# Allegro board RK3568_Template_DDR4P216SD6_48x32_1600MHZ_V10_20210129GXL.brd (continued)
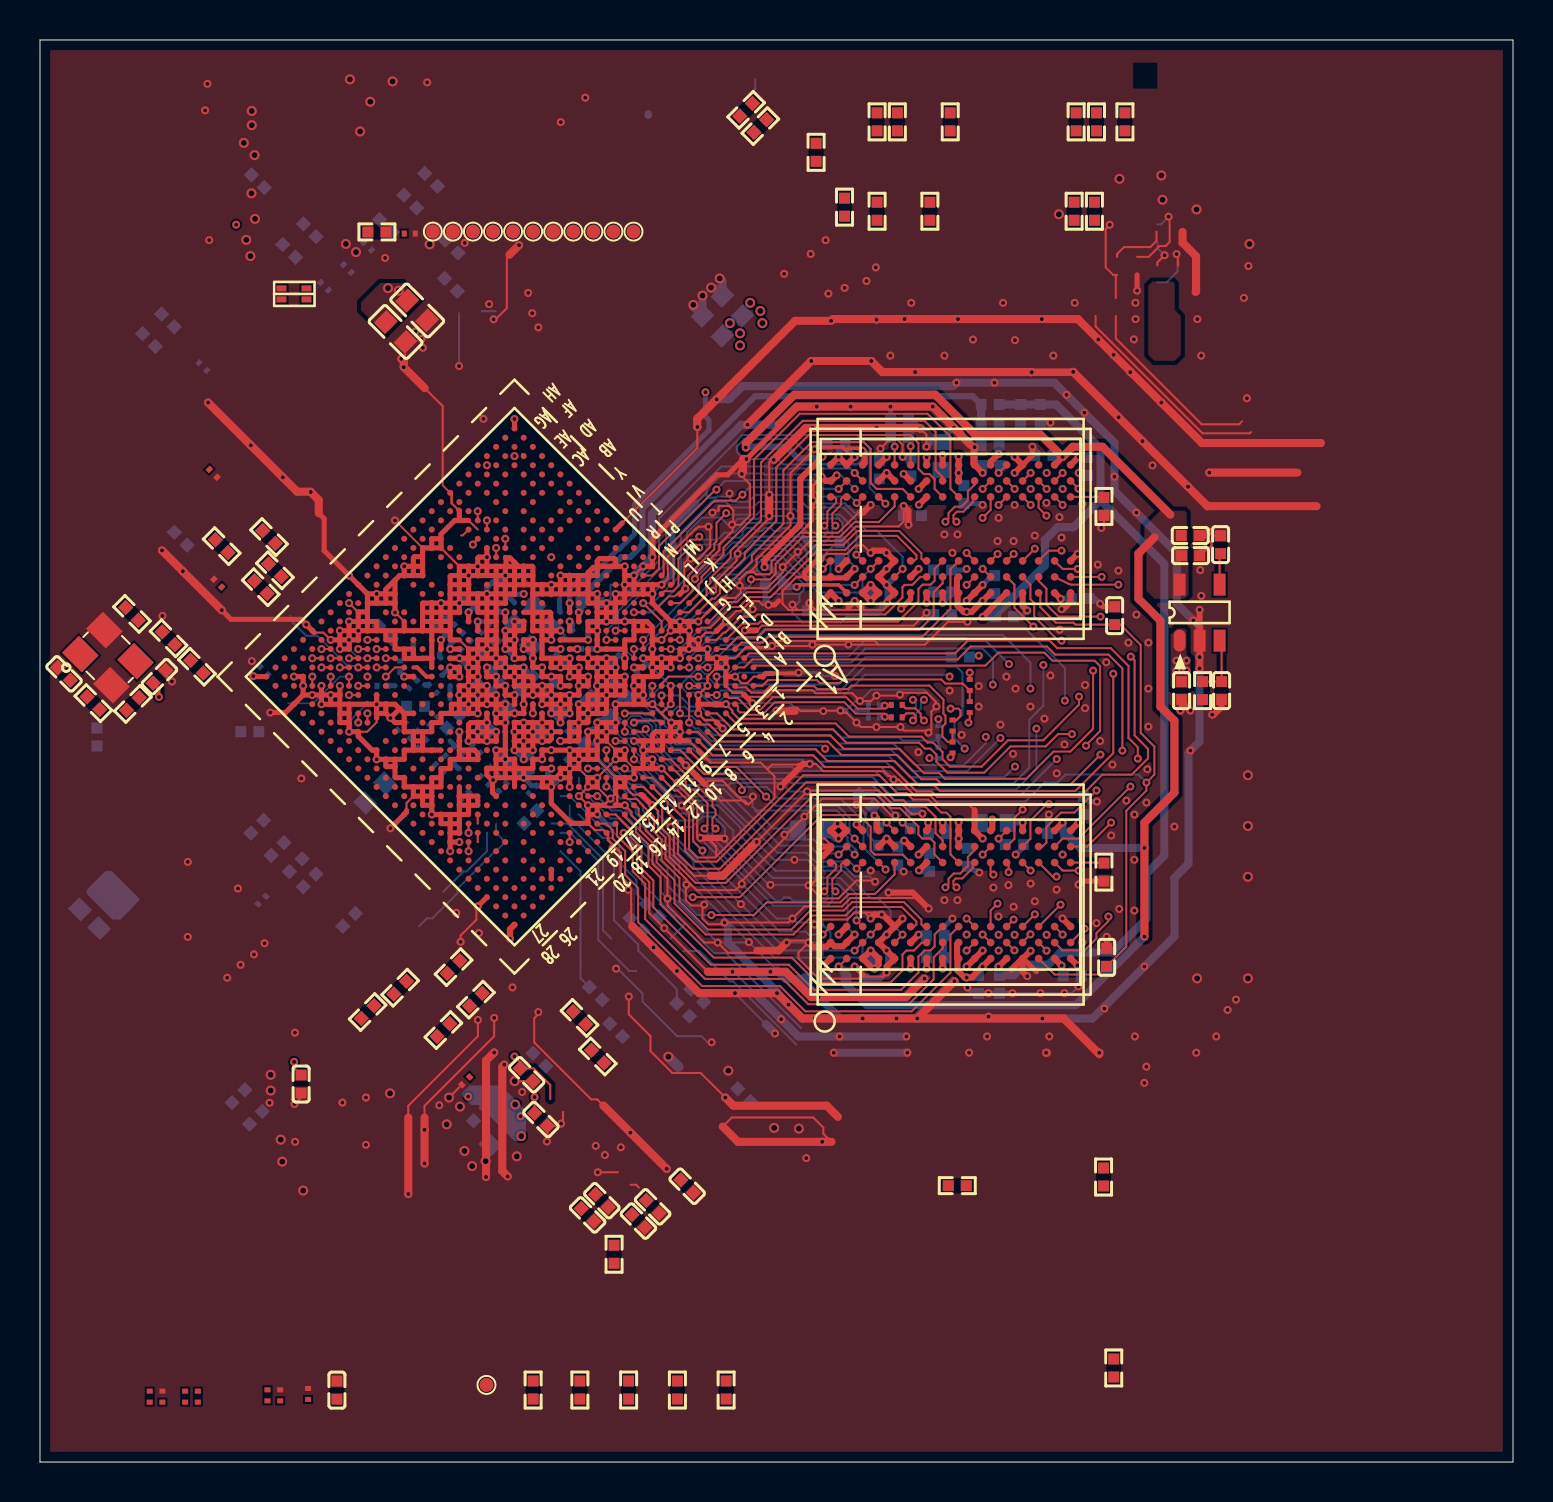
[diagram p0: board, top side]
## Footprints (pads in the part's own frame, mm; a bottom-side part is the same pattern mirrored in y, then rotated)
BGA636_19R00X19R00X1R20
  round 0.3 smd: A1(-8.775,8.775) A2(-8.125,8.775) A3(-7.475,8.775) A4(-6.825,8.775) A5(-6.175,8.775) A6(-5.525,8.775) A7(-4.875,8.775) A8(-4.225,8.775) A9(-3.575,8.775) A10(-2.925,8.775) A11(-2.275,8.775) A12(-1.625,8.775) A13(-0.975,8.775) A14(-0.325,8.775) A15(0.325,8.775) A16(0.975,8.775) A17(1.625,8.775) A18(2.275,8.775) A19(2.925,8.775) A20(3.575,8.775) A21(4.225,8.775) A22(4.875,8.775) A23(5.525,8.775) A24(6.175,8.775) A25(6.825,8.775) A26(7.475,8.775) A27(8.125,8.775) A28(8.775,8.775) AA1(-8.775,-4.225) AA2(-8.125,-4.225) AA3(-7.475,-4.225) AA4(-6.825,-4.225) AA5(-6.175,-4.225) AA6(-5.525,-4.225) AA7(-4.875,-4.225) AA9(-3.575,-4.225) AA11(-2.275,-4.225) AA12(-1.625,-4.225) AA14(-0.325,-4.225) AA15(0.325,-4.225) AA17(1.625,-4.225) AA18(2.275,-4.225) AA20(3.575,-4.225) AA22(4.875,-4.225) AA23(5.525,-4.225) AA24(6.175,-4.225) AA25(6.825,-4.225) AA26(7.475,-4.225) AA27(8.125,-4.225) AA28(8.775,-4.225) AB1(-8.775,-4.875) AB2(-8.125,-4.875) AB5(-6.175,-4.875) AB6(-5.525,-4.875) AB8(-4.225,-4.875) AB9(-3.575,-4.875) AB11(-2.275,-4.875) AB12(-1.625,-4.875) AB14(-0.325,-4.875) AB15(0.325,-4.875) AB17(1.625,-4.875) AB18(2.275,-4.875) AB20(3.575,-4.875) AB21(4.225,-4.875) AB23(5.525,-4.875) AB24(6.175,-4.875) AB27(8.125,-4.875) AB28(8.775,-4.875) AC1(-8.775,-5.525) AC2(-8.125,-5.525) AC3(-7.475,-5.525) AC4(-6.825,-5.525) AC5(-6.175,-5.525) AC7(-4.875,-5.525) AC8(-4.225,-5.525) AC9(-3.575,-5.525) AC11(-2.275,-5.525) AC12(-1.625,-5.525) AC14(-0.325,-5.525) AC15(0.325,-5.525) AC17(1.625,-5.525) AC18(2.275,-5.525) AC20(3.575,-5.525) AC21(4.225,-5.525) AC22(4.875,-5.525) AC24(6.175,-5.525) AC25(6.825,-5.525) AC26(7.475,-5.525) AC27(8.125,-5.525) AC28(8.775,-5.525) AD1(-8.775,-6.175) AD2(-8.125,-6.175) AD3(-7.475,-6.175) AD4(-6.825,-6.175) AD6(-5.525,-6.175) AD7(-4.875,-6.175) AD8(-4.225,-6.175) AD9(-3.575,-6.175) AD11(-2.275,-6.175) AD12(-1.625,-6.175) AD14(-0.325,-6.175) AD15(0.325,-6.175) AD17(1.625,-6.175) AD18(2.275,-6.175) AD20(3.575,-6.175) AD21(4.225,-6.175) AD22(4.875,-6.175) AD23(5.525,-6.175) AD25(6.825,-6.175) AD26(7.475,-6.175) AD27(8.125,-6.175) AD28(8.775,-6.175) AE1(-8.775,-6.825) AE2(-8.125,-6.825) AE3(-7.475,-6.825) AE5(-6.175,-6.825) AE6(-5.525,-6.825) AE8(-4.225,-6.825) AE9(-3.575,-6.825) AE11(-2.275,-6.825) AE12(-1.625,-6.825) AE14(-0.325,-6.825) AE15(0.325,-6.825) AE17(1.625,-6.825) AE18(2.275,-6.825) AE20(3.575,-6.825) AE21(4.225,-6.825) AE23(5.525,-6.825) AE24(6.175,-6.825) AE26(7.475,-6.825) AE27(8.125,-6.825) AE28(8.775,-6.825) AF1(-8.775,-7.475) AF2(-8.125,-7.475) AF3(-7.475,-7.475) AF4(-6.825,-7.475) AF5(-6.175,-7.475) AF6(-5.525,-7.475) AF8(-4.225,-7.475) AF9(-3.575,-7.475) AF11(-2.275,-7.475) AF12(-1.625,-7.475) AF14(-0.325,-7.475) AF15(0.325,-7.475) AF17(1.625,-7.475) AF18(2.275,-7.475) AF20(3.575,-7.475) AF21(4.225,-7.475) AF23(5.525,-7.475) AF24(6.175,-7.475) AF25(6.825,-7.475) AF26(7.475,-7.475) AF27(8.125,-7.475) AF28(8.775,-7.475) AG1(-8.775,-8.125) AG2(-8.125,-8.125) AG3(-7.475,-8.125) AG4(-6.825,-8.125) AG5(-6.175,-8.125) AG6(-5.525,-8.125) AG7(-4.875,-8.125) AG8(-4.225,-8.125) AG9(-3.575,-8.125) AG10(-2.925,-8.125) AG11(-2.275,-8.125) AG12(-1.625,-8.125) AG13(-0.975,-8.125) AG14(-0.325,-8.125) AG15(0.325,-8.125) AG16(0.975,-8.125) AG17(1.625,-8.125) AG18(2.275,-8.125) AG19(2.925,-8.125) AG20(3.575,-8.125) AG21(4.225,-8.125) AG22(4.875,-8.125) AG23(5.525,-8.125) AG24(6.175,-8.125) AG25(6.825,-8.125) AG26(7.475,-8.125) AG27(8.125,-8.125) AG28(8.775,-8.125) AH1(-8.775,-8.775) AH2(-8.125,-8.775) AH3(-7.475,-8.775) AH4(-6.825,-8.775) AH5(-6.175,-8.775) AH6(-5.525,-8.775) AH7(-4.875,-8.775) AH8(-4.225,-8.775) AH9(-3.575,-8.775) AH10(-2.925,-8.775) AH11(-2.275,-8.775) AH12(-1.625,-8.775) AH13(-0.975,-8.775) AH14(-0.325,-8.775) AH15(0.325,-8.775) AH16(0.975,-8.775) AH17(1.625,-8.775) AH18(2.275,-8.775) AH19(2.925,-8.775) AH20(3.575,-8.775) AH21(4.225,-8.775) AH22(4.875,-8.775) AH23(5.525,-8.775) AH24(6.175,-8.775) AH25(6.825,-8.775) AH26(7.475,-8.775) AH27(8.125,-8.775) AH28(8.775,-8.775) B1(-8.775,8.125) B2(-8.125,8.125) B3(-7.475,8.125) B4(-6.825,8.125) B5(-6.175,8.125) B6(-5.525,8.125) B7(-4.875,8.125) B8(-4.225,8.125) B9(-3.575,8.125) B10(-2.925,8.125) B11(-2.275,8.125) B12(-1.625,8.125) B13(-0.975,8.125) B14(-0.325,8.125) B15(0.325,8.125) B16(0.975,8.125) B17(1.625,8.125) B18(2.275,8.125) B19(2.925,8.125) B20(3.575,8.125) B21(4.225,8.125) B22(4.875,8.125) B23(5.525,8.125) B24(6.175,8.125) B25(6.825,8.125) B26(7.475,8.125) B27(8.125,8.125) B28(8.775,8.125) C1(-8.775,7.475) C2(-8.125,7.475) C3(-7.475,7.475) C4(-6.825,7.475) C5(-6.175,7.475) C6(-5.525,7.475) C8(-4.225,7.475) C9(-3.575,7.475) C11(-2.275,7.475) C12(-1.625,7.475) C14(-0.325,7.475) C15(0.325,7.475) C17(1.625,7.475) C18(2.275,7.475) C20(3.575,7.475) C21(4.225,7.475) C23(5.525,7.475) C24(6.175,7.475) C25(6.825,7.475) C26(7.475,7.475) C27(8.125,7.475) C28(8.775,7.475) D1(-8.775,6.825) D2(-8.125,6.825) D3(-7.475,6.825) D5(-6.175,6.825) D6(-5.525,6.825) D8(-4.225,6.825) D9(-3.575,6.825) D11(-2.275,6.825) D12(-1.625,6.825) D14(-0.325,6.825) D15(0.325,6.825) D17(1.625,6.825) D18(2.275,6.825) D20(3.575,6.825) D21(4.225,6.825) D23(5.525,6.825) D24(6.175,6.825) D26(7.475,6.825) D27(8.125,6.825) D28(8.775,6.825) E1(-8.775,6.175) E2(-8.125,6.175) E3(-7.475,6.175) E4(-6.825,6.175) E6(-5.525,6.175) E7(-4.875,6.175) E8(-4.225,6.175) E9(-3.575,6.175) E11(-2.275,6.175) E12(-1.625,6.175) E14(-0.325,6.175) E15(0.325,6.175) E17(1.625,6.175) E18(2.275,6.175) E20(3.575,6.175) E21(4.225,6.175) E22(4.875,6.175) E23(5.525,6.175) E25(6.825,6.175) E26(7.475,6.175) E27(8.125,6.175) E28(8.775,6.175) F1(-8.775,5.525) F2(-8.125,5.525) F3(-7.475,5.525) F4(-6.825,5.525) F5(-6.175,5.525) F7(-4.875,5.525) F8(-4.225,5.525) F9(-3.575,5.525) F11(-2.275,5.525) F12(-1.625,5.525) F14(-0.325,5.525) F15(0.325,5.525) F17(1.625,5.525) F18(2.275,5.525) F20(3.575,5.525) F21(4.225,5.525) F22(4.875,5.525) F24(6.175,5.525) F25(6.825,5.525) F26(7.475,5.525) F27(8.125,5.525) F28(8.775,5.525) G1(-8.775,4.875) G2(-8.125,4.875) G5(-6.175,4.875) G6(-5.525,4.875) G8(-4.225,4.875) G9(-3.575,4.875) G11(-2.275,4.875) G12(-1.625,4.875) G14(-0.325,4.875) G15(0.325,4.875) G17(1.625,4.875) G18(2.275,4.875) G20(3.575,4.875) G21(4.225,4.875) G23(5.525,4.875) G24(6.175,4.875) G27(8.125,4.875) G28(8.775,4.875) H1(-8.775,4.225) H2(-8.125,4.225) H3(-7.475,4.225) H4(-6.825,4.225) H5(-6.175,4.225) H6(-5.525,4.225) H7(-4.875,4.225) H9(-3.575,4.225) H11(-2.275,4.225) H12(-1.625,4.225) H14(-0.325,4.225) H15(0.325,4.225) H17(1.625,4.225) H18(2.275,4.225) H20(3.575,4.225) H22(4.875,4.225) H23(5.525,4.225) H24(6.175,4.225) H25(6.825,4.225) H26(7.475,4.225) H27(8.125,4.225) H28(8.775,4.225) J1(-8.775,3.575) J2(-8.125,3.575) J3(-7.475,3.575) J4(-6.825,3.575) J5(-6.175,3.575) J6(-5.525,3.575) J7(-4.875,3.575) J8(-4.225,3.575) J9(-3.575,3.575) J11(-2.275,3.575) J12(-1.625,3.575) J14(-0.325,3.575) J15(0.325,3.575) J17(1.625,3.575) J18(2.275,3.575) J20(3.575,3.575) J21(4.225,3.575) J22(4.875,3.575) J23(5.525,3.575) J24(6.175,3.575) J25(6.825,3.575) J26(7.475,3.575) J27(8.125,3.575) J28(8.775,3.575) K1(-8.775,2.925) K2(-8.125,2.925) K10(-2.925,2.925) K11(-2.275,2.925) K12(-1.625,2.925) K13(-0.975,2.925) K14(-0.325,2.925) K15(0.325,2.925) K16(0.975,2.925) K17(1.625,2.925) K18(2.275,2.925) K19(2.925,2.925) K27(8.125,2.925) K28(8.775,2.925) L1(-8.775,2.275) L2(-8.125,2.275) L3(-7.475,2.275) L4(-6.825,2.275) L5(-6.175,2.275) L6(-5.525,2.275) L7(-4.875,2.275) L8(-4.225,2.275) L9(-3.575,2.275) L10(-2.925,2.275) L11(-2.275,2.275) L12(-1.625,2.275) L13(-0.975,2.275) L14(-0.325,2.275) L15(0.325,2.275) L16(0.975,2.275) L17(1.625,2.275) L18(2.275,2.275) L19(2.925,2.275) L20(3.575,2.275) L21(4.225,2.275) L22(4.875,2.275) L23(5.525,2.275) L24(6.175,2.275) L25(6.825,2.275) L26(7.475,2.275) L27(8.125,2.275) L28(8.775,2.275) M1(-8.775,1.625) M2(-8.125,1.625) M3(-7.475,1.625) M4(-6.825,1.625) M5(-6.175,1.625) M6(-5.525,1.625) M7(-4.875,1.625) M8(-4.225,1.625) M9(-3.575,1.625) M10(-2.925,1.625) M11(-2.275,1.625) M12(-1.625,1.625) M13(-0.975,1.625) M14(-0.325,1.625) M15(0.325,1.625) M16(0.975,1.625) M17(1.625,1.625) M18(2.275,1.625) M19(2.925,1.625) M20(3.575,1.625) M21(4.225,1.625) M22(4.875,1.625) M23(5.525,1.625) M24(6.175,1.625) M25(6.825,1.625) M26(7.475,1.625) M27(8.125,1.625) M28(8.775,1.625) N1(-8.775,0.975) N2(-8.125,0.975) N10(-2.925,0.975) N11(-2.275,0.975) N12(-1.625,0.975) N13(-0.975,0.975) N14(-0.325,0.975) N15(0.325,0.975) N16(0.975,0.975) N17(1.625,0.975) N18(2.275,0.975) N19(2.925,0.975) N27(8.125,0.975) N28(8.775,0.975) P1(-8.775,0.325) P2(-8.125,0.325) P3(-7.475,0.325) P4(-6.825,0.325) P5(-6.175,0.325) P6(-5.525,0.325) P7(-4.875,0.325) P8(-4.225,0.325) P9(-3.575,0.325) P10(-2.925,0.325) P11(-2.275,0.325) P12(-1.625,0.325) P13(-0.975,0.325) P14(-0.325,0.325) P15(0.325,0.325) P16(0.975,0.325) P17(1.625,0.325) P18(2.275,0.325) P19(2.925,0.325) P20(3.575,0.325) P21(4.225,0.325) P22(4.875,0.325) P23(5.525,0.325) P24(6.175,0.325) P25(6.825,0.325) P26(7.475,0.325) P27(8.125,0.325) P28(8.775,0.325) R1(-8.775,-0.325) R2(-8.125,-0.325) R3(-7.475,-0.325) R4(-6.825,-0.325) R5(-6.175,-0.325) R6(-5.525,-0.325) R7(-4.875,-0.325) R8(-4.225,-0.325) R9(-3.575,-0.325) R10(-2.925,-0.325) R11(-2.275,-0.325) R12(-1.625,-0.325) R13(-0.975,-0.325) R14(-0.325,-0.325) R15(0.325,-0.325) R16(0.975,-0.325) R17(1.625,-0.325) R18(2.275,-0.325) R19(2.925,-0.325) R20(3.575,-0.325) R21(4.225,-0.325) R22(4.875,-0.325) R23(5.525,-0.325) R24(6.175,-0.325) R25(6.825,-0.325) R26(7.475,-0.325) R27(8.125,-0.325) R28(8.775,-0.325) T1(-8.775,-0.975) T2(-8.125,-0.975) T10(-2.925,-0.975) T11(-2.275,-0.975) T12(-1.625,-0.975) T13(-0.975,-0.975) T14(-0.325,-0.975) T15(0.325,-0.975) T16(0.975,-0.975) T17(1.625,-0.975) T18(2.275,-0.975) T19(2.925,-0.975) T27(8.125,-0.975) T28(8.775,-0.975) U1(-8.775,-1.625) U2(-8.125,-1.625) U3(-7.475,-1.625) U4(-6.825,-1.625) U5(-6.175,-1.625) U6(-5.525,-1.625) U7(-4.875,-1.625) U8(-4.225,-1.625) U9(-3.575,-1.625) U10(-2.925,-1.625) U11(-2.275,-1.625) U12(-1.625,-1.625) U13(-0.975,-1.625) U14(-0.325,-1.625) U15(0.325,-1.625) U16(0.975,-1.625) U17(1.625,-1.625) U18(2.275,-1.625) U19(2.925,-1.625) U20(3.575,-1.625) U21(4.225,-1.625) U22(4.875,-1.625) U23(5.525,-1.625) U24(6.175,-1.625) U25(6.825,-1.625) U26(7.475,-1.625) U27(8.125,-1.625) U28(8.775,-1.625) V1(-8.775,-2.275) V2(-8.125,-2.275) V3(-7.475,-2.275) V4(-6.825,-2.275) V5(-6.175,-2.275) V6(-5.525,-2.275) V7(-4.875,-2.275) V8(-4.225,-2.275) V9(-3.575,-2.275) V10(-2.925,-2.275) V11(-2.275,-2.275) V12(-1.625,-2.275) V13(-0.975,-2.275) V14(-0.325,-2.275) V15(0.325,-2.275) V16(0.975,-2.275) V17(1.625,-2.275) V18(2.275,-2.275) V19(2.925,-2.275) V20(3.575,-2.275) V21(4.225,-2.275) V22(4.875,-2.275) V23(5.525,-2.275) V24(6.175,-2.275) V25(6.825,-2.275) V26(7.475,-2.275) V27(8.125,-2.275) V28(8.775,-2.275) W1(-8.775,-2.925) W2(-8.125,-2.925) W10(-2.925,-2.925) W11(-2.275,-2.925) W12(-1.625,-2.925) W13(-0.975,-2.925) W14(-0.325,-2.925) W15(0.325,-2.925) W16(0.975,-2.925) W17(1.625,-2.925) W18(2.275,-2.925) W19(2.925,-2.925) W27(8.125,-2.925) W28(8.775,-2.925) Y1(-8.775,-3.575) Y2(-8.125,-3.575) Y3(-7.475,-3.575) Y4(-6.825,-3.575) Y5(-6.175,-3.575) Y6(-5.525,-3.575) Y7(-4.875,-3.575) Y8(-4.225,-3.575) Y9(-3.575,-3.575) Y11(-2.275,-3.575) Y12(-1.625,-3.575) Y14(-0.325,-3.575) Y15(0.325,-3.575) Y17(1.625,-3.575) Y18(2.275,-3.575) Y20(3.575,-3.575) Y21(4.225,-3.575) Y22(4.875,-3.575) Y23(5.525,-3.575) Y24(6.175,-3.575) Y25(6.825,-3.575) Y26(7.475,-3.575) Y27(8.125,-3.575) Y28(8.775,-3.575)
C0201
  rect 0.25x0.3 smd: 1(-0.275,0) 2(0.275,0)
C0402
  rect 0.55x0.55 smd: 1(-0.45,0) 2(0.45,0)
C0603
  rect 0.8x0.9 smd: 1(-0.7,0) 2(0.7,0)
CRY4_3R20X2R50X0R80
  rect 1.4x1.2 smd: 1(-1.1,-0.85) 2(1.1,-0.85) 3(1.1,0.85) 4(-1.1,0.85)
FBGA96_14R00X11R00X1R20
  round 0.38 smd: A1(-3.2,6) A2(-2.4,6) A3(-1.6,6) A7(1.6,6) A8(2.4,6) A9(3.2,6) B1(-3.2,5.2) B2(-2.4,5.2) B3(-1.6,5.2) B7(1.6,5.2) B8(2.4,5.2) B9(3.2,5.2) C1(-3.2,4.4) C2(-2.4,4.4) C3(-1.6,4.4) C7(1.6,4.4) C8(2.4,4.4) C9(3.2,4.4) D1(-3.2,3.6) D2(-2.4,3.6) D3(-1.6,3.6) D7(1.6,3.6) D8(2.4,3.6) D9(3.2,3.6) E1(-3.2,2.8) E2(-2.4,2.8) E3(-1.6,2.8) E7(1.6,2.8) E8(2.4,2.8) E9(3.2,2.8) F1(-3.2,2) F2(-2.4,2) F3(-1.6,2) F7(1.6,2) F8(2.4,2) F9(3.2,2) G1(-3.2,1.2) G2(-2.4,1.2) G3(-1.6,1.2) G7(1.6,1.2) G8(2.4,1.2) G9(3.2,1.2) H1(-3.2,0.4) H2(-2.4,0.4) H3(-1.6,0.4) H7(1.6,0.4) H8(2.4,0.4) H9(3.2,0.4) J1(-3.2,-0.4) J2(-2.4,-0.4) J3(-1.6,-0.4) J7(1.6,-0.4) J8(2.4,-0.4) J9(3.2,-0.4) K1(-3.2,-1.2) K2(-2.4,-1.2) K3(-1.6,-1.2) K7(1.6,-1.2) K8(2.4,-1.2) K9(3.2,-1.2) L1(-3.2,-2) L2(-2.4,-2) L3(-1.6,-2) L7(1.6,-2) L8(2.4,-2) L9(3.2,-2) M1(-3.2,-2.8) M2(-2.4,-2.8) M3(-1.6,-2.8) M7(1.6,-2.8) M8(2.4,-2.8) M9(3.2,-2.8) N1(-3.2,-3.6) N2(-2.4,-3.6) N3(-1.6,-3.6) N7(1.6,-3.6) N8(2.4,-3.6) N9(3.2,-3.6) P1(-3.2,-4.4) P2(-2.4,-4.4) P3(-1.6,-4.4) P7(1.6,-4.4) P8(2.4,-4.4) P9(3.2,-4.4) R1(-3.2,-5.2) R2(-2.4,-5.2) R3(-1.6,-5.2) R7(1.6,-5.2) R8(2.4,-5.2) R9(3.2,-5.2) T1(-3.2,-6) T2(-2.4,-6) T3(-1.6,-6) T7(1.6,-6) T8(2.4,-6) T9(3.2,-6)
R0201
  rect 0.25x0.3 smd: 1(-0.275,0) 2(0.275,0)
R0402
  rect 0.55x0.55 smd: 1(-0.45,0) 2(0.45,0)
RP2_0405
  rect 0.5x0.3 smd: 1(-0.625,-0.275) 2(0.625,-0.275) 3(-0.625,0.275) 4(0.625,0.275)
SOT_23_5
  oval 1.1x0.6 smd: 1(0,0)
  rect 1.1x0.6 smd: 2(0,-1) 3(0,-2) 4(2.8,-2) 5(2.8,0)
TP_0R70
  round 0.7 smd: 1(0,0)

## Nets
DDR4_BG1/VSS: R3318.1 R3319.1 R3320.1 U3300.M9 U3301.M9
GND: C1000.2 C1001.2 C1002.2 C1003.2 C1004.2 C1005.2 C1006.2 C1007.2 C1008.2 C1009.2 C1010.2 C1011.2 C1012.2 C1013.2 C1014.2 C1015.2 C1016.2 C1017.2 C1018.2 C1019.2 C1020.2 C1100.2 C1101.2 C1102.2 C1103.2 C1104.2 C1200.2 C1201.2 C1202.2 C1203.2 C1204.2 C1205.2 C1206.2 C1207.2 C1208.2 C1209.2 C1210.2 C1211.2 C1212.2 C1213.2 C1214.2 C1300.2 C1301.2 C1400.2 C1401.2 C1402.2 C1403.2 C1404.2 C1405.2 C1406.2 C1407.2 C1408.2 C1409.2 C1410.2 C1411.2 C1412.2 C1413.2 C1414.2 C1500.2 C1501.2 C1502.2 C1503.2 C1504.2 C1505.2 C1506.2 C1507.2 C1508.2 C1509.2 C1510.2 C1511.2 C1600.2 C1601.2 C1602.2 C1603.2 C1700.2 C1701.2 C1702.2 C1703.2 C1712.2 C1713.2 C1714.2 C1715.2 C1716.2 C1717.2 C1718.2 C1719.2 C1720.2 C1800.2 C1900.2 C3300.2 C3301.2 C3302.2 C3304.2 C3305.2 C3306.2 C3307.2 C3308.2 C3309.2 C3310.2 C3311.2 C3312.2 C3313.2 C3314.2 C3315.2 C3316.2 C3317.2 C3318.2 C3319.2 C3320.2 C3321.2 C3322.2 C3323.2 C3324.2 C3325.2 C3326.2 C3327.2 C3328.2 C3329.2 C3330.2 C3331.2 C3332.2 C3333.2 C3334.2 C3335.2 C3336.2 C3337.2 C3338.2 C3339.2 C3340.2 C3341.2 C3342.2 C3343.2 C3344.2 C3345.2 R1100.2 R1400.2 R1708.2 R3312.2 R3313.2 R3314.2 R3315.2 R3316.2 R3317.2 R3318.2 R3319.2 R3323.2 TP1301.1 TP1303.1 TP1502.1 U1000.A1 U1000.A3 U1000.A6 U1000.A10 U1000.A14 U1000.A18 U1000.A28 U1000.AA4 U1000.AA9 U1000.AA12 U1000.AA14 U1000.AA15 U1000.AA17 U1000.AA23 U1000.AA24 U1000.AA26 U1000.AB2 U1000.AB6 U1000.AB11 U1000.AB12 U1000.AB14 U1000.AB15 U1000.AB17 U1000.AB24 U1000.AC9 U1000.AC11 U1000.AC12 U1000.AC15 U1000.AC18 U1000.AC25 U1000.AC26 U1000.AD3 U1000.AD26 U1000.AE6 U1000.AE14 U1000.AE17 U1000.AE20 U1000.AE21 U1000.AE27 U1000.AE28 U1000.AF3 U1000.AF9 U1000.AF11 U1000.AF12 U1000.AF14 U1000.AF15 U1000.AF17 U1000.AF18 U1000.AF20 U1000.AF21 U1000.AF26 U1000.AG5 U1000.AG18 U1000.AH1 U1000.AH8 U1000.AH18 U1000.AH23 U1000.AH28 U1000.B5 U1000.B9 U1000.B12 U1000.B16 U1000.B23 U1000.B26 U1000.C3 U1000.C6 U1000.C8 U1000.C9 U1000.C11 U1000.C12 U1000.C14 U1000.C15 U1000.C17 U1000.C18 U1000.C25 U1000.D2 U1000.D3 U1000.D11 U1000.D28 U1000.E3 U1000.E7 U1000.F1 U1000.F3 U1000.F9 U1000.F12 U1000.F14 U1000.F15 U1000.F17 U1000.G5 U1000.G6 U1000.G8 U1000.G9 U1000.G11 U1000.G12 U1000.G14 U1000.G15 U1000.G17 U1000.G18 U1000.G24 U1000.H2 U1000.H3 U1000.H6 U1000.J3 U1000.J5 U1000.J8 U1000.J17 U1000.J18 U1000.J20 U1000.J22 U1000.J26 U1000.J27 U1000.K1 U1000.K11 U1000.K12 U1000.K13 U1000.K14 U1000.K19 U1000.L3 U1000.L5 U1000.L8 U1000.L11 U1000.L13 U1000.L14 U1000.L19 U1000.L20 U1000.L21 U1000.L24 U1000.L26 U1000.M2 U1000.M3 U1000.M6 U1000.M8 U1000.M11 U1000.M13 U1000.M14 U1000.M16 U1000.M18 U1000.M21 U1000.M26 U1000.N1 U1000.N11 U1000.N12 U1000.N14 U1000.N15 U1000.N17 U1000.N18 U1000.N28 U1000.P3 U1000.P6 U1000.P12 U1000.P14 U1000.P15 U1000.P17 U1000.P21 U1000.P26 U1000.R3 U1000.R6 U1000.R10 U1000.R11 U1000.R14 U1000.R15 U1000.R17 U1000.R18 U1000.R19 U1000.R23 U1000.R26 U1000.T10 U1000.T11 U1000.T14 U1000.T15 U1000.T17 U1000.T18 U1000.T19 U1000.U1 U1000.U6 U1000.U7 U1000.U8 U1000.U10 U1000.U14 U1000.U15 U1000.U16 U1000.U17 U1000.U18 U1000.U23 U1000.U26 U1000.V3 U1000.V8 U1000.V9 U1000.V13 U1000.V14 U1000.V15 U1000.V16 U1000.V20 U1000.V22 U1000.V23 U1000.V26 U1000.W10 U1000.W11 U1000.W12 U1000.W13 U1000.W17 U1000.Y8 U1000.Y9 U1000.Y11 U1000.Y12 U1000.Y18 U1000.Y23 U1000.Y24 U1000.Y26 U3300.A2 U3300.A8 U3300.B2 U3300.C9 U3300.D2 U3300.D8 U3300.E1 U3300.E3 U3300.E8 U3300.F1 U3300.G8 U3300.H1 U3300.H9 U3300.K1 U3300.K9 U3300.N1 U3300.N9 U3300.T1 U3300.T3 U3301.A2 U3301.A8 U3301.B2 U3301.C9 U3301.D2 U3301.D8 U3301.E1 U3301.E3 U3301.E8 U3301.F1 U3301.G8 U3301.H1 U3301.H9 U3301.K1 U3301.K9 U3301.N1 U3301.N9 U3301.T1 U3301.T3 U3302.2 Y1200.2 Y1200.4
VCC3V3_PMU: C1203.1 C1210.1 R1204.1 R1205.1 R1206.1 R1207.1 R3325.1 U1000.W19 U1000.Y20
VCC3V3_SYS: C3322.1 U3302.1
VCC25_DDR: C3323.1 C3324.1 C3325.1 C3326.1 C3327.1 C3328.1 U3300.B1 U3300.R9 U3301.B1 U3301.R9 U3302.5(OUT)
VCC_1V8: C1511.1 R1509.2 R1610.2 U1000.H20
VCC_3V3: C1401.1 C1404.1 C1509.1 C1800.1 R1511.2 R1611.2 R1800.1 R1801.1 R1804.1 R1805.1 U1000.M23 U1000.P10 U1000.V10 U1000.V11 U1000.V12
VCC_DDR: C1100.1 C1101.1 C1102.1 C1103.1 C1104.1 C3303.1 C3307.1 C3308.1 C3309.1 C3310.1 C3311.1 C3312.1 C3313.1 C3314.1 C3315.1 C3316.1 C3317.1 C3318.1 C3319.1 C3320.1 C3321.1 C3331.1 C3332.1 C3333.1 C3334.1 C3335.1 C3336.1 C3337.1 C3338.1 C3339.1 C3340.1 C3341.1 C3342.1 C3343.1 C3344.1 C3345.1 R3321.1 U1000.H9 U1000.H11 U1000.H12 U1000.H14 U1000.H15 U1000.J9 U1000.J11 U1000.J12 U1000.J14 U1000.K10 U1000.L9 U1000.L10 U1000.M9 U1000.M10 U3300.A1 U3300.A9 U3300.B3 U3300.B9 U3300.C1 U3300.D1 U3300.D9 U3300.F2 U3300.F8 U3300.G1 U3300.G7 U3300.G9 U3300.J1 U3300.J2 U3300.J8 U3300.J9 U3300.L1 U3300.L9 U3300.R1 U3300.T9 U3301.A1 U3301.A9 U3301.B3 U3301.B9 U3301.C1 U3301.D1 U3301.D9 U3301.F2 U3301.F8 U3301.G1 U3301.G7 U3301.G9 U3301.J1 U3301.J2 U3301.J8 U3301.J9 U3301.L1 U3301.L9 U3301.R1 U3301.T9
VCCA1V8_IMAGE: C1713.1 C1715.1 C1717.1 C1720.1 U1000.M22 U1000.W18
VCCA1V8_PMU: C1206.1 C1207.1 U1000.Y21
VCCA_1V8: C1211.1 C1212.1 C1407.1 C1410.1 C1411.1 C1414.1 C1510.1 R1512.1 U1000.H22 U1000.N10 U1000.R22 U1000.U22
VCCIO4: C1500.1 R1509.1 R1510.1 R1511.1 U1000.J21
VCCIO6: C1602.1 C1603.1 R1606.1 R1607.1 R1610.1 R1611.1 U1000.R9 U1000.U9
VCCIO_ACODEC: C1900.1 R1900.1 R1901.1 U1000.H17
VCCIO_FLASH: C1300.1 U1000.H18
VCCIO_SD: C1301.1 U1000.L22
VCCIO_WL: R1510.2
VDD_CPU: C1000.1 C1001.1 C1002.1 C1003.1 C1004.1 U1000.J15 U1000.K15 U1000.K16 U1000.K17 U1000.K18 U1000.L15 U1000.L16 U1000.L17 U1000.L18 U1000.M17
VDD_CPU_COM: U1000.M15
VDD_GPU: C1012.1 C1013.1 C1014.1 C1015.1 C1016.1 U1000.R13 U1000.T13 U1000.U11 U1000.U12 U1000.U13
VDD_LOGIC: C1005.1 C1006.1 C1007.1 C1008.1 C1009.1 C1010.1 C1011.1 U1000.L12 U1000.M12 U1000.N13 U1000.N16 U1000.P13 U1000.P16 U1000.R12 U1000.R16 U1000.T12 U1000.T16
VDD_NPU: C1017.1 C1018.1 C1019.1 C1020.1 U1000.M19 U1000.N19 U1000.P18 U1000.P19 U1000.P20
VDDA0V9_IMAGE: C1714.1 C1716.1 C1718.1 C1719.1 U1000.M20 U1000.V17 U1000.V18
VDDA0V9_PMU: C1204.1 C1205.1 C1213.1 C1214.1 U1000.V19 U1000.V21
VDDA_0V9: C1208.1 C1209.1 C1408.1 C1409.1 C1412.1 C1413.1 U1000.P11 U1000.R20 U1000.R21 U1000.U20 U1000.U21
4G_DISABLE_GPIO4_C2: U1000.AF8
4G_PWREN_H_GPIO0_C6: U1000.AD20
BT_REG_ON_H_GPIO2_B7: U1000.H25
BT_WAKE_HOST_H_GPIO2_C0: U1000.F24
CAN0_RX_M1: R1304.1 U1000.H28
CAN0_TX_M1: U1000.H27
CIF_CLKOUT: R1609.2
CIF_CLKOUT_SOC: R1609.1 U1000.U3
CLK32K_OUT1_WIFI: R1508.2
DDR4_A0: U1000.B6 U3300.P3 U3301.P3
DDR4_A1: U1000.F5 U3300.P7 U3301.P7
DDR4_A2: U1000.B1 U3300.R3 U3301.R3
DDR4_A3: U1000.F4 U3300.N7 U3301.N7
DDR4_A4: U1000.D9 U3300.N3 U3301.N3
DDR4_A5: U1000.B7 U3300.P8 U3301.P8
DDR4_A6: U1000.A7 U3300.P2 U3301.P2
DDR4_A7: U1000.A8 U3300.R8 U3301.R8
DDR4_A8: U1000.C1 U3300.R2 U3301.R2
DDR4_A9: U1000.A5 U3300.R7 U3301.R7
DDR4_A10: U1000.D6 U3300.M3 U3301.M3
DDR4_A11: U1000.C2 U3300.T2 U3301.T2
DDR4_A12: U1000.C4 U3300.M7 U3301.M7
DDR4_A13: U1000.B8 U3300.T8 U3301.T8
DDR4_A14_WEN: U1000.C5 U3300.L2 U3301.L2
DDR4_A15_CASN: U1000.E4 U3300.M8 U3301.M8
DDR4_A16_RASN: U1000.D5 U3300.L8 U3301.L8
DDR4_ACTN: U1000.E6 U3300.L3 U3301.L3
DDR4_BA0: U1000.E11 U3300.N2 U3301.N2
DDR4_BA1: U1000.E9 U3300.N8 U3301.N8
DDR4_BG0: U1000.F8 U3300.M2 U3301.M2
DDR4_BG1: R3320.2 U1000.F7
DDR4_CKE: R3306.2 R3307.1 U1000.B3
DDR4_CKE_A: R3306.1 U3300.K2
DDR4_CKE_B: R3307.2 U3301.K2
DDR4_CLKN: R3301.1 R3304.2 R3305.1 U1000.A4
DDR4_CLKN_A: R3304.1 U3300.K8
DDR4_CLKN_B: R3305.2 U3301.K8
DDR4_CLKP: R3300.1 R3302.2 R3303.1 U1000.B4
DDR4_CLKP_A: R3302.1 U3300.K7
DDR4_CLKP_B: R3303.2 U3301.K7
DDR4_CS0N: R3308.2 R3309.1 U1000.A2
DDR4_CS0N_A: R3308.1 U3300.L7
DDR4_CS0N_B: R3309.2 U3301.L7
DDR4_DML_A: U1000.H5 U3300.E7
DDR4_DML_B: U1000.E17 U3301.E7
DDR4_DMU_A: U1000.J4 U3300.E2
DDR4_DMU_B: U1000.D14 U3301.E2
DDR4_DQL0_A: U1000.F2 U3300.G2
DDR4_DQL0_B: U1000.A16 U3301.G2
DDR4_DQL1_A: U1000.H4 U3300.F7
DDR4_DQL1_B: U1000.D17 U3301.F7
DDR4_DQL2_A: U1000.E1 U3300.H3
DDR4_DQL2_B: U1000.B17 U3301.H3
DDR4_DQL3_A: U1000.H1 U3300.H7
DDR4_DQL3_B: U1000.B14 U3301.H7
DDR4_DQL4_A: U1000.E2 U3300.H2
DDR4_DQL4_B: U1000.A17 U3301.H2
DDR4_DQL5_A: U1000.J2 U3300.H8
DDR4_DQL5_B: U1000.A13 U3301.H8
DDR4_DQL6_A: U1000.D1 U3300.J3
DDR4_DQL6_B: U1000.B18 U3301.J3
DDR4_DQL7_A: U1000.J1 U3300.J7
DDR4_DQL7_B: U1000.B13 U3301.J7
DDR4_DQSL_N_A: U1000.G2 U3300.F3
DDR4_DQSL_N_B: U1000.A15 U3301.F3
DDR4_DQSL_P_A: U1000.G1 U3300.G3
DDR4_DQSL_P_B: U1000.B15 U3301.G3
DDR4_DQSU_N_A: U1000.L1 U3300.A7
DDR4_DQSU_N_B: U1000.B11 U3301.A7
DDR4_DQSU_P_A: U1000.L2 U3300.B7
DDR4_DQSU_P_B: U1000.A11 U3301.B7
DDR4_DQU0_A: U1000.L4 U3300.A3
DDR4_DQU0_B: U1000.A12 U3301.A3
DDR4_DQU1_A: U1000.N2 U3300.B8
DDR4_DQU1_B: U1000.E12 U3301.B8
DDR4_DQU2_A: U1000.K2 U3300.C3
DDR4_DQU2_B: U1000.E14 U3301.C3
DDR4_DQU3_A: U1000.M1 U3300.C7
DDR4_DQU3_B: U1000.D12 U3301.C7
DDR4_DQU4_A: U1000.J6 U3300.C2
DDR4_DQU4_B: U1000.E15 U3301.C2
DDR4_DQU5_A: U1000.L6 U3300.C8
DDR4_DQU5_B: U1000.A9 U3301.C8
DDR4_DQU6_A: U1000.J7 U3300.D3
DDR4_DQU6_B: U1000.D15 U3301.D3
DDR4_DQU7_A: U1000.L7 U3300.D7
DDR4_DQU7_B: U1000.B10 U3301.D7
DDR4_ODT0: R3310.2 R3311.1 U1000.E8
DDR4_ODT0_A: R3310.1 U3300.K3
DDR4_ODT0_B: R3311.2 U3301.K3
DDR4_RESETN: C3301.1 C3302.1 U1000.F11 U3300.P1 U3301.P1
DDR_RZQ: R1100.1 U1000.H7
DDRPHY_VREFOUT: C3303.2 C3304.1 R3322.2 U1000.P8
DVP_PWREN0_H_GPIO0_B0: U1000.AD23
EDP_TX_AUXN: U1000.M25
EDP_TX_AUXP: U1000.L25
EDP_TX_D0N: C1705.2
EDP_TX_D0P: C1704.2
EDP_TX_D1N: C1709.2
EDP_TX_D1P: C1706.2
EDP_TX_D2N: C1708.2
EDP_TX_D2P: C1707.2
EDP_TX_D3N: C1711.2
EDP_TX_D3P: C1710.2
EDP_TXD0N: C1705.1 U1000.K27
EDP_TXD0P: C1704.1 U1000.J28
EDP_TXD1N: C1709.1 U1000.L27
EDP_TXD1P: C1706.1 U1000.K28
EDP_TXD2N: C1708.1 U1000.M27
EDP_TXD2P: C1707.1 U1000.L28
EDP_TXD3N: C1711.1 U1000.N27
EDP_TXD3P: C1710.1 U1000.M28
EMMC_CLKOUT/FLASH_DQS: R1300.2
EMMC_CLKOUT/FLASH_DQS_SOC: R1300.1 U1000.A23
EMMC_CMD/FLASH_WRN: U1000.B22
EMMC_D0/FLASH_D0: TP1300.1 U1000.A24
EMMC_D1/FLASH_D1: U1000.C21
EMMC_D2/FLASH_D2: U1000.B24
EMMC_D3/FLASH_D3: U1000.D21
EMMC_D4/FLASH_D4: U1000.A25
EMMC_D5/FLASH_D5: U1000.E21
EMMC_D6/FLASH_D6: U1000.E22
EMMC_D7/FLASH_D7: U1000.B25
EMMC_DATA_STROBE/FLASH_CLE: U1000.A26
EMMC_RSTN/FSPI_D2/FLASH_WPN: U1000.F20
ETH0_REFCLKO_25M: R1507.2
ETH1_REFCLKO_25M_M1: R1608.2
ETH1_REFCLKO_25M_M1_SOC: R1608.1 U1000.V1
FLASH_VOL_SEL: U1000.AG25
FSPI_CLK/FLASH_ALE: R1301.2 TP1302.1
FSPI_CLK/FLASH_ALE_SOC: R1301.1 U1000.A22
FSPI_CS0N/FLASH_CS0N: U1000.C23
FSPI_D0/FLASH_RDY: U1000.C24
FSPI_D1/FLASH_RDN: U1000.D23
FSPI_D3/FLASH_CS1N: U1000.A27
GMAC0_INT/PMEB_GPIO3_C0: R1800.2 U1000.AD2
GMAC0_MCLKINOUT: U1000.F25
GMAC0_MDC: U1000.H24
GMAC0_MDIO: U1000.H23
GMAC0_RSTN_GPIO3_B7: U1000.AD4
GMAC0_RXCLK: U1000.B28
GMAC0_RXD0: U1000.F27
GMAC0_RXD2: U1000.E27
GMAC0_RXD3: U1000.E28
GMAC0_TXCLK: R1503.2
GMAC0_TXD0: R1504.2
GMAC0_TXD1: R1505.2
GMAC0_TXD2: R1500.2
GMAC0_TXD3: R1501.2
GMAC0_TXEN: R1506.2
GMAC1_INT/PMEB_GPIO3_A7: R1801.2 U1000.AH2
GMAC1_MCLKINOUT_M1: U1000.U2
GMAC1_MDC_M1: U1000.U5
GMAC1_MDIO_M1: U1000.U4
GMAC1_RSTN_GPIO3_B0: U1000.AG2
GMAC1_RXCLK_M1: U1000.Y3
GMAC1_RXD0_M1: U1000.W1
GMAC1_RXD1_M1: U1000.V7
GMAC1_RXD2_M1: U1000.AA2
GMAC1_RXD3_M1: U1000.Y4
GMAC1_RXDV_CRS_M1: U1000.V2
GMAC1_RXER_M1/GPIO4_B2: TP1600.1 U1000.V4
GMAC1_TXCLK_M1: R1602.2
GMAC1_TXCLK_M1_SOC: R1602.1 U1000.AA3
GMAC1_TXD0_M1: R1603.2
GMAC1_TXD0_M1_SOC: R1603.1 U1000.Y2
GMAC1_TXD1_M1: R1604.2
GMAC1_TXD1_M1_SOC: R1604.1 U1000.Y1
GMAC1_TXD2_M1: R1600.2
GMAC1_TXD2_M1_SOC: R1600.1 U1000.Y6
GMAC1_TXD3_M1: R1601.2
GMAC1_TXD3_M1_SOC: R1601.1 U1000.Y5
GMAC1_TXEN_M1: R1605.2
GMAC1_TXEN_M1_SOC: R1605.1 U1000.W2
GPIO2_B0: R1502.1 R1503.1 U1000.D27
GPIO2_C6: R1508.1 U1000.E26
HDMI_TX0N: R1705.1 U1000.AH20
HDMI_TX0N_PORT: R1705.2
HDMI_TX0P: R1704.1 U1000.AG20
HDMI_TX0P_PORT: R1704.2
HDMI_TX1N: R1701.1 U1000.AH21
HDMI_TX1N_PORT: R1701.2
HDMI_TX1P: R1700.1 U1000.AG21
HDMI_TX1P_PORT: R1700.2
HDMI_TX2N: R1703.1 U1000.AH22
HDMI_TX2N_PORT: R1703.2
HDMI_TX2P: R1702.1 U1000.AG22
HDMI_TX2P_PORT: R1702.2
HDMI_TX_HPDIN: C1712.1 U1000.AB18
HDMI_TX_REXT: R1708.1 U1000.AA18
HDMI_TXCLKN: L1700.4 R1707.1 U1000.AG19
HDMI_TXCLKN_PORT: L1700.3 R1707.2
HDMI_TXCLKP: L1700.2 R1706.1 U1000.AH19
HDMI_TXCLKP_PORT: L1700.1 R1706.2
HDMIRX_DET_L_GPIO3_D0: U1000.AB5
HDMIRX_INT_L_GPIO4_C3: U1000.AA11
HDMIRX_PWREN_H_GPIO0_D6: U1000.AC24
HDMIRX_RST_L_GPIO4_D2: U1000.AB9
HDMITX_CEC_M0: U1000.AH6
HDMITX_SCL: U1000.AG8
HDMITX_SDA: U1000.AG7
HOST_WAKE_BT_H_GPIO2_C1: R1507.1 U1000.G23
HP_DET_L_GPIO3_C2: U1000.AA7
I2C0_SCL_PMIC: R1204.2 U1000.AF24
I2C0_SDA_PMIC: R1205.2 U1000.AB21
I2C1_SCL_TP: R1206.2 U1000.AG24
I2C1_SDA_TP: R1207.2 U1000.AB20
I2C2_SCL_M1: R1607.2 U1000.V5
I2C2_SDA_M1: R1606.2 U1000.V6
I2C3_SCL_M0: R1901.2 U1000.E18
I2C3_SDA_M0: R1900.2 U1000.D18
I2C5_SCL_M0: R1804.2 U1000.AF1
I2C5_SDA_M0: R1805.2 U1000.AE1
I2S1_LRCK_TX_M0_RK809: R1905.2
I2S1_LRCK_TX_M0_SOC: R1905.1 U1000.A20
I2S1_MCLK_M0_RK809: R1902.2
I2S1_MCLK_M0_SOC: R1902.1 U1000.A19
I2S1_SCLK_TX_M0_RK809: R1903.2
I2S1_SCLK_TX_M0_SOC: R1903.1 U1000.B19
I2S1_SDI0_M0/PDM_SDI0_M0_RK809: U1000.B21
I2S1_SDO0_M0_RK809: U1000.B20
I2S3_LRCK_M0: R1803.2
I2S3_LRCK_M0_SOC: R1803.1 U1000.AF4
I2S3_MCLK_M0: TP1800.1 U1000.AE5
I2S3_SCLK_M0: R1802.2
I2S3_SCLK_M0_SOC: R1802.1 U1000.AG4
I2S3_SDI_M0: U1000.AG3
I2S3_SDO_M0: TP1801.1 U1000.AH3
LCD0_BL_PWM4: U1000.AE23
LCD0_PWREN_H_GPIO0_C7: U1000.AH25
LCD1_BL_PWM5: U1000.AD21
LCD1_PWREN_H_GPIO0_C5: U1000.AC21
LCD_EN_H_GPIO3_C6: U1000.AC5
LCD_RST_L_GPIO3_C7: U1000.AA6
MIPI_AVDD_0V9: C1601.1 C1701.1 C1703.1 U1000.W14 U1000.W15 U1000.W16
MIPI_AVDD_1V8: C1600.1 C1700.1 C1702.1 U1000.Y14 U1000.Y15 U1000.Y17
MIPI_CAM0_PDN_L_GPIO3_D5: U1000.AA5
MIPI_CAM0_RST_L_GPIO3_D4: U1000.AA1
MIPI_CAM1_PDN_L_GPIO3_D3: U1000.AC1
MIPI_CAM1_RST_L_GPIO3_D2: U1000.Y7
MIPI_CSI_RX_CLK0N: U1000.AH10
MIPI_CSI_RX_CLK0P: U1000.AG10
MIPI_CSI_RX_CLK1N: U1000.AH9
MIPI_CSI_RX_CLK1P: U1000.AG9
MIPI_CSI_RX_D0N: U1000.AH12
MIPI_CSI_RX_D0P: U1000.AG12
MIPI_CSI_RX_D1N: U1000.AH11
MIPI_CSI_RX_D1P: U1000.AG11
MIPI_CSI_RX_D2N: U1000.AD11
MIPI_CSI_RX_D2P: U1000.AE11
MIPI_CSI_RX_D3N: U1000.AE9
MIPI_CSI_RX_D3P: U1000.AD9
MIPI_DSI_TX0_CLKN/LVDS_TX0_CLKN: U1000.AG15
MIPI_DSI_TX0_CLKP/LVDS_TX0_CLKP: U1000.AH15